# Allegro board HY_TPL5010_V10.brd
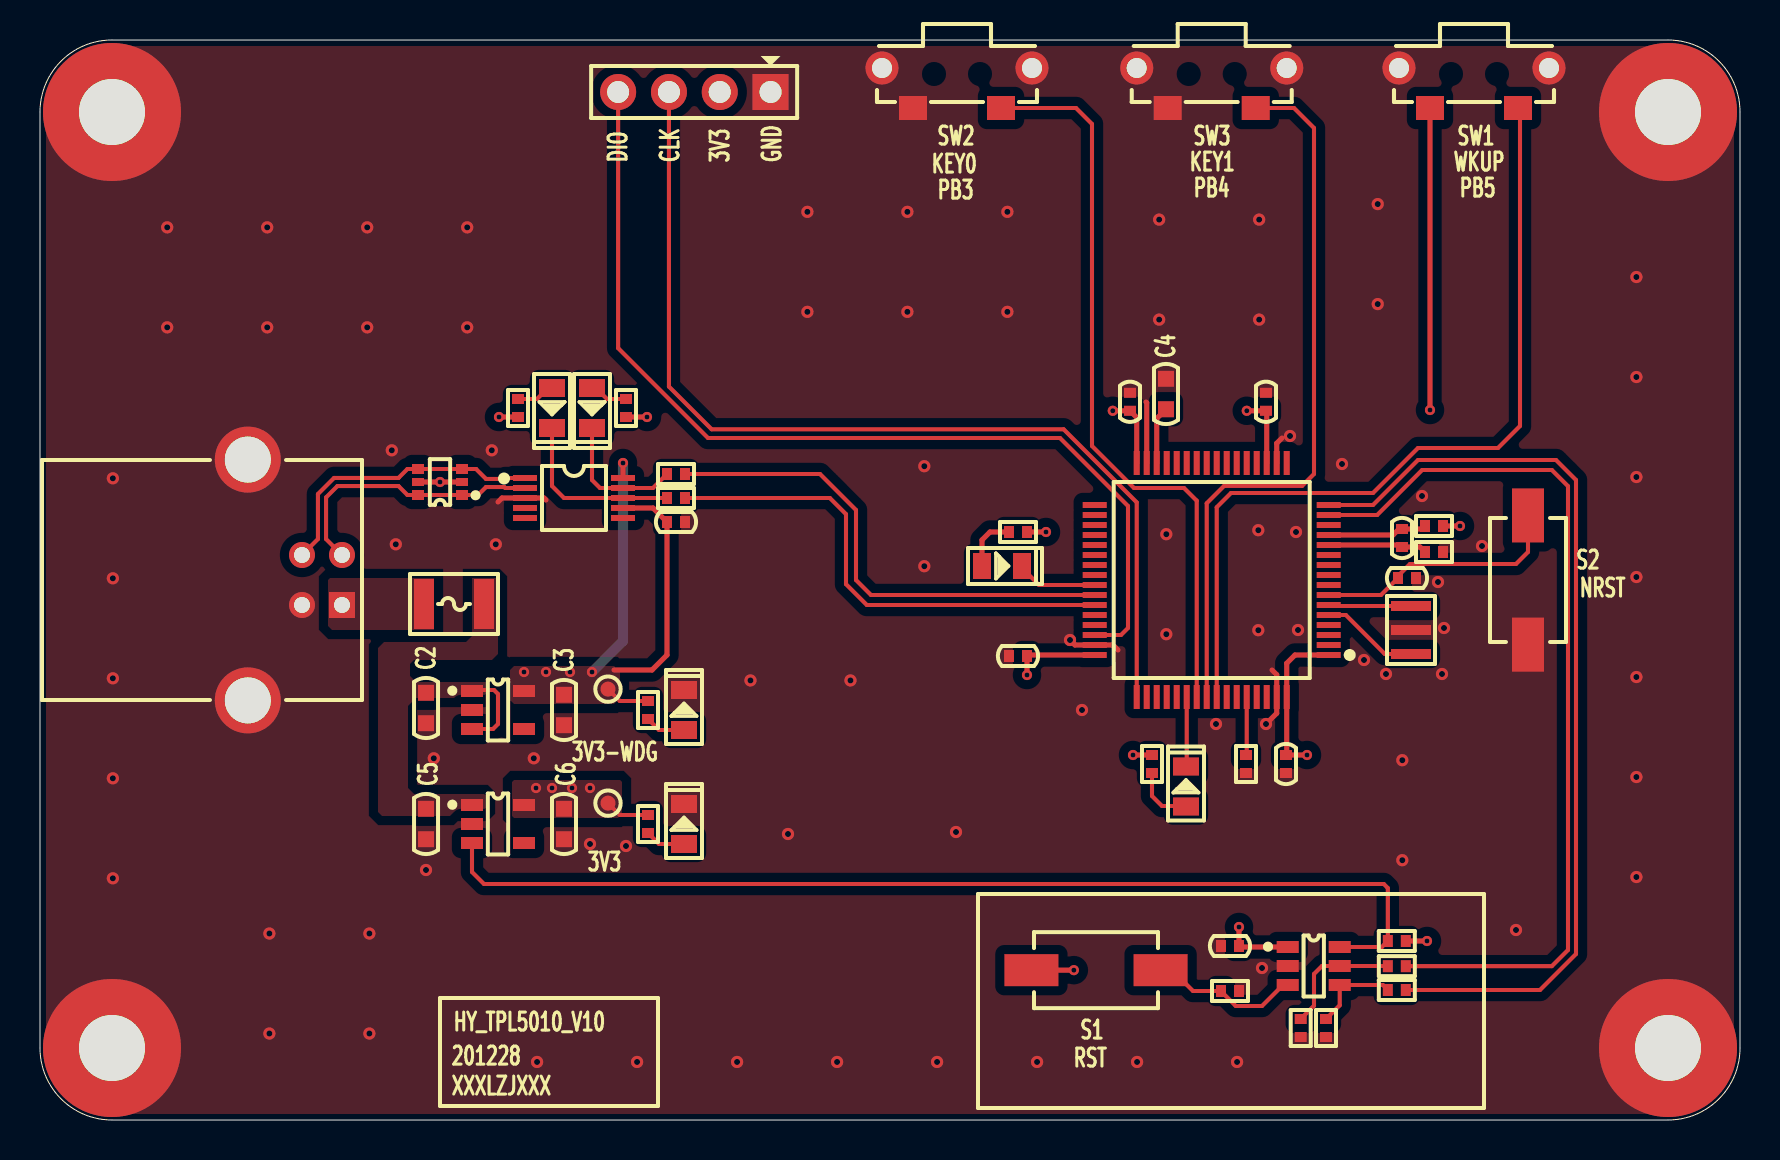
[diagram p0: board, top side]
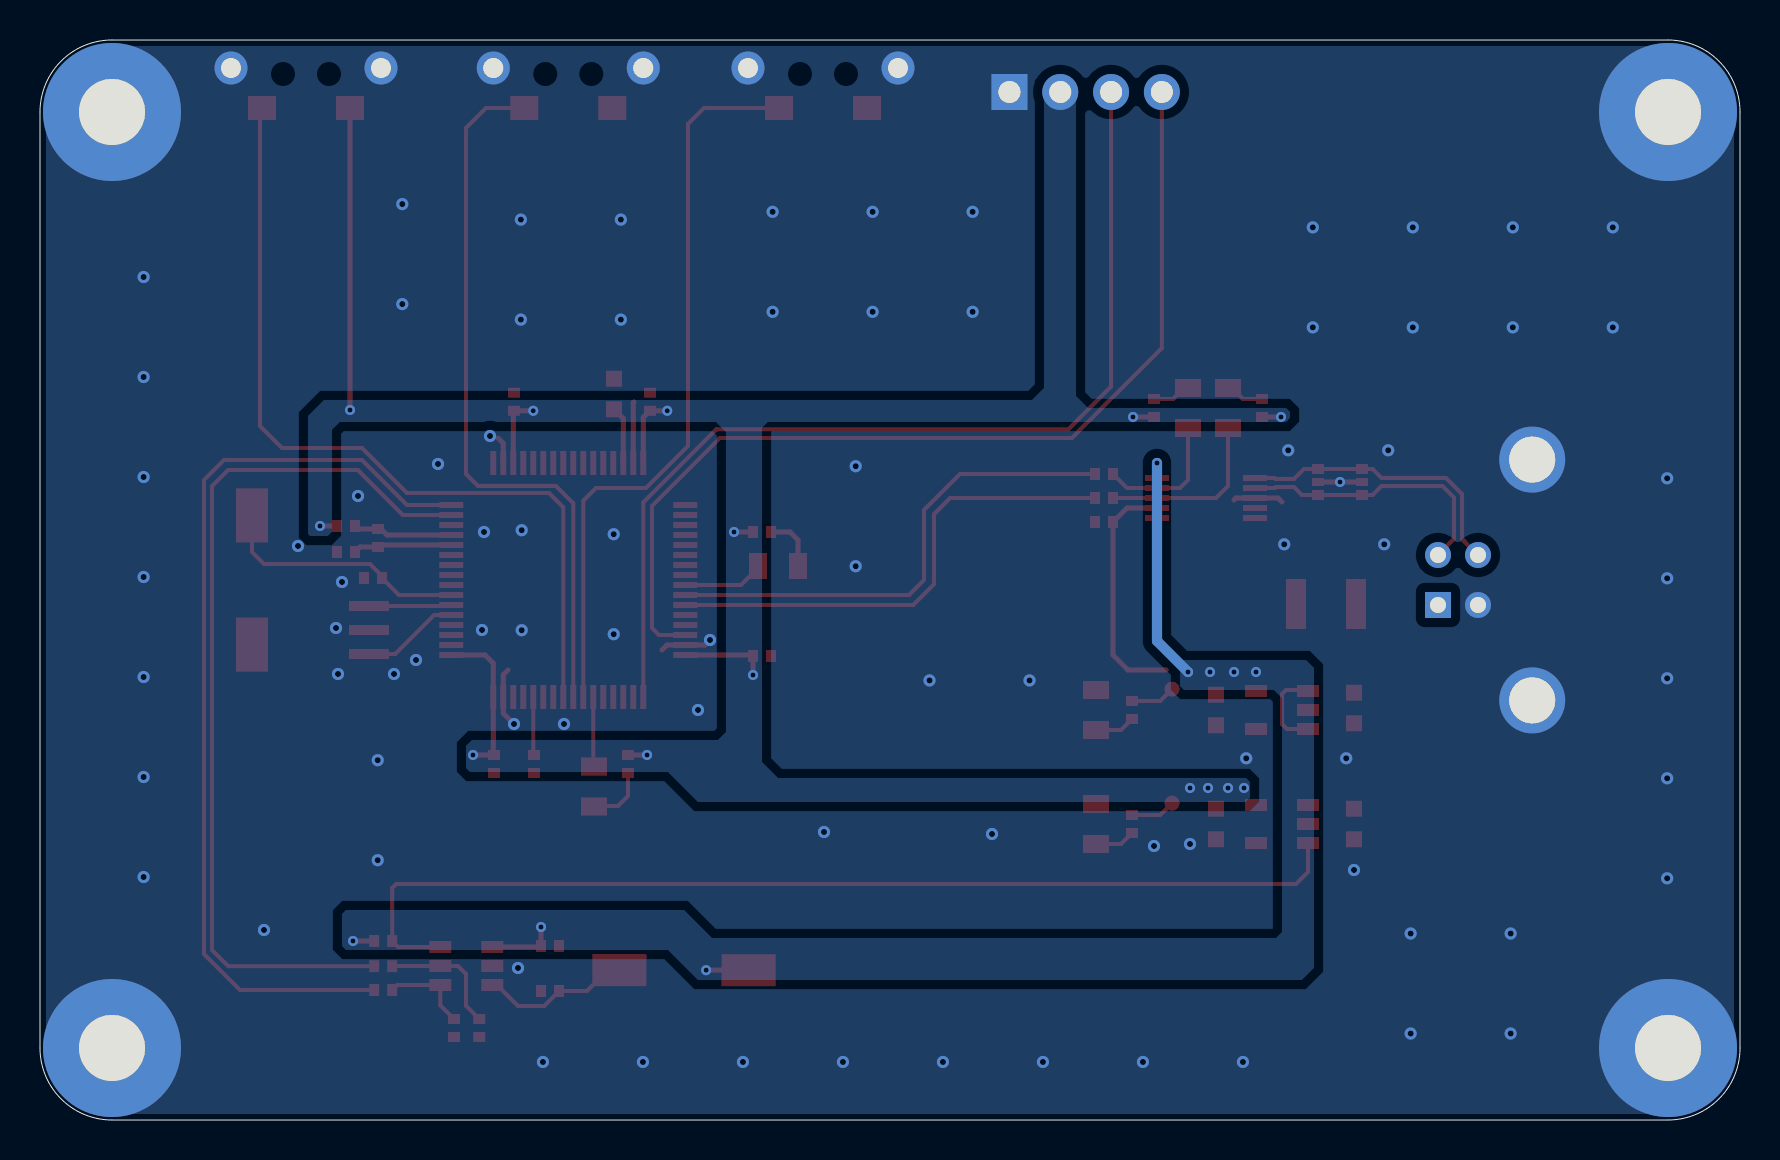
[diagram p1: board, bottom side, seen from below]

Outline 85 x 54 mm; copper layers: TOP, BOTTOM. Coordinates in mm from the lower left corner of the outline.
Outline path: 0,50.4 arc(1.05,52.95) 3.6,54 81.4,54 arc(83.95,52.95) 85,50.4 85,3.6 arc(83.95,1.05) 81.4,0 3.6,0 arc(1.05,1.05) 0,3.6 0,50.4

## Design rules (mm)
constraint set DEFAULT: min track width 0.203, pair gap 0.203
net group USB_D: nets USB_DM USB_DP

## Placement (name value [footprint] x y rotation side)
C1  100nF_50V  [C0402]  31.8 29.9 180 top
C2  10uF_10V  [C0603]  19.3 20.6 270 top
C3  10uF_10V  [C0603]  26.2 20.5 270 top
C4  10uF_10V  [C0603]  56.3 36.3 90 top
C5  10uF_10V  [C0603]  19.3 14.8 270 top
C6  10uF_10V  [C0603]  26.2 14.8 270 top
C7  100nF_50V  [C0402]  54.5 35.91 270 top
C8  100nF_50V  [C0402]  61.3 35.91 270 top
C9  100nF_50V  [C0402]  48.9 23.2 0 top
C10  100nF_50V  [C0402]  62.3 17.8 90 top
C11  100nF_50V  [C0402]  59.5 8.7 180 top
C12  100nF_50V  [C0402]  68.1 29.1 90 top
C13  100nF_50V  [C0402]  68.35 27.1 0 top
D1  RED_0805  [LED0805]  25.6 35.6 270 top
D2  RED_0805  [LED0805]  27.6 35.6 270 top
D3  RED_0805  [LED0805]  32.2 20.5 90 top
D4  RED_0805  [LED0805]  32.2 14.8 90 top
D5  RED_0805  [LED0805]  48.1 27.7 0 top
D6  RED_0805  [LED0805]  57.3 16.67 90 top
F1  SMD1210-200  [FUSE1210]  20.7 25.8 0 top
J1  -  [CN1X4-2P54-Z]  36.53 51.4 180 top
MH1  Hold/NI  [HOLD6R90X3R40]  3.6 3.6 0 top
MH2  Hold/NI  [HOLD6R90X3R40]  81.4 3.6 0 top
MH3  Hold/NI  [HOLD6R90X3R40]  81.4 50.4 0 top
MH4  Hold/NI  [HOLD6R90X3R40]  3.6 50.4 0 top
NOREF  -  []  0 0 90 top
NOREF#2  -  []  0 0 0 top
NOREF#3  -  []  3.6 3.6 90 top
NOREF#4  -  []  3.6 3.6 0 top
R1  4.7K  [R0402]  23.9 35.6 90 top
R2  4.7K  [R0402]  29.3 35.6 90 top
R3  1K  [R0402]  31.8 32.3 0 top
R4  1K  [R0402]  31.8 31.1 0 top
R5  4.7K  [R0402]  30.4 20.5 270 top
R6  4.7K  [R0402]  30.4 14.8 270 top
R7  0R  [R0402]  69.7 29.7 0 top
R8  100K  [R0402]  67.84 8.95 180 top
R9  1K  [R0402]  67.84 7.69 0 top
R10  0R  [R0402]  69.7 28.4 0 top
R11  100K  [R0402]  63.04 4.6 270 top
R12  100K  [R0402]  64.3 4.6 270 top
R13  22K  [R0402]  59.5 6.45 0 top
R14  1K  [R0402]  67.84 6.5 0 top
R15  10K  [R0402]  48.9 29.4 180 top
R16  10K  [R0402]  60.3 17.8 270 top
R17  10K  [R0402]  55.6 17.8 270 top
S1  3*6*2.5  [KEY-2P-SMD-6R2X3R8X2R5]  52.8 7.49 0 top
S2  3*6*2.5  [KEY-2P-SMD-6R2X3R8X2R5]  74.4 27 90 top
SW1  -  [K2-1112SW-A4SW-04]  71.7 52.3 0 top
SW2  -  [K2-1112SW-A4SW-04]  45.85 52.3 0 top
SW3  -  [K2-1112SW-A4SW-04]  58.59 52.3 0 top
TP1  TestPoint/NI  [TP-0R75]  28.4 21.54 0 top
TP2  TestPoint/NI  [TP-0R75]  28.4 15.84 0 top
U1  CH340E  [MSOP10]  26.7 31.1 270 top
U2  STM32F410RBT6  [LQFP64-10X10X0R5]  58.59 27 90 top
U3  TPD4E1U06DCKR  [SOT363]  20 31.9 90 top
U4  SPX3819M5-L-3-3/TR  [SOT23-5]  22.9 20.5 270 top
U5  SPX3819M5-L-3-3/TR  [SOT23-5]  22.9 14.8 270 top
U6  TPL5010DDCR  [SOT23-6]  63.69 7.7 270 top
USB1  -  [USB-B]  15.1 27 180 top
X1  CSTCE8M00G15C99-R0  [X-3P-3R2X1R3-SMD]  68.55 24.5 90 top

## Library data of the parts
C1-C12 = CAP NP_2
C13 = CAP NP
D1-D4 = LED_1
D5 D6 = LED_4
F1 = FUSE
J1 = CONN RCPT 4
MH1-MH4 = Hold_1
R1-R17 = R_Generic
S1 S2 = SW PUSHBUTTON_0
SW1-SW3 = SWITCH-SPST-4P
TP1 TP2 = TestPoint
U1 = CH340E
U2 = STM32F410RBT6
U3 = TPD4E1U06DBVR
U4 U5 = SPX3819M5-L-1-2
U6 = TPL5010DDCR
USB1 = USB-B
X1 = XTAL_5032_0

## Footprints (pads in the part's own frame, mm; a bottom-side part is the same pattern mirrored in y, then rotated)
C0402
  rect 0.5x0.6 smd: 1(-0.45,0) 2(0.45,0)
C0603
  rect 0.8x0.8 smd: 1(-0.762,0) 2(0.762,0)
CN1X4-2P54-Z
  rect 1.8x1.8 hole 1.1: 1(0,0)
  round 1.8 hole 1.1: 2(2.54,0) 3(5.08,0) 4(7.62,0)
FUSE1210
  rect 1x2.5 smd: 1(-1.5,0) 2(1.5,0)
HOLD6R90X3R40
  round 6.9 hole 3.3: 1(0,0)
K2-1112SW-A4SW-04
  round 1.65 hole 1: 1(-3.75,0.3) 4(3.75,0.3)
  rect 1.4x1.2 smd: 2(-2.2,-1.7) 3(2.2,-1.7)
KEY-2P-SMD-6R2X3R8X2R5
  rect 2.7x1.6 smd: 1(-3.23,0) 2(3.23,0)
LED0805
  rect 0.9x1.3 smd: 1(-1,0) 2(1,0)
LQFP64-10X10X0R5
  rect 0.3x1.2 smd: 1(-3.75,-5.85) 2(-3.25,-5.85) 3(-2.75,-5.85) 4(-2.25,-5.85) 5(-1.75,-5.85) 6(-1.25,-5.85) 7(-0.75,-5.85) 8(-0.25,-5.85) 9(0.25,-5.85) 10(0.75,-5.85) 11(1.25,-5.85) 12(1.75,-5.85) 13(2.25,-5.85) 14(2.75,-5.85) 15(3.25,-5.85) 16(3.75,-5.85) 33(3.75,5.85) 34(3.25,5.85) 35(2.75,5.85) 36(2.25,5.85) 37(1.75,5.85) 38(1.25,5.85) 39(0.75,5.85) 40(0.25,5.85) 41(-0.25,5.85) 42(-0.75,5.85) 43(-1.25,5.85) 44(-1.75,5.85) 45(-2.25,5.85) 46(-2.75,5.85) 47(-3.25,5.85) 48(-3.75,5.85)
  rect 1.2x0.3 smd: 17(5.85,-3.75) 18(5.85,-3.25) 19(5.85,-2.75) 20(5.85,-2.25) 21(5.85,-1.75) 22(5.85,-1.25) 23(5.85,-0.75) 24(5.85,-0.25) 25(5.85,0.25) 26(5.85,0.75) 27(5.85,1.25) 28(5.85,1.75) 29(5.85,2.25) 30(5.85,2.75) 31(5.85,3.25) 32(5.85,3.75) 49(-5.85,3.75) 50(-5.85,3.25) 51(-5.85,2.75) 52(-5.85,2.25) 53(-5.85,1.75) 54(-5.85,1.25) 55(-5.85,0.75) 56(-5.85,0.25) 57(-5.85,-0.25) 58(-5.85,-0.75) 59(-5.85,-1.25) 60(-5.85,-1.75) 61(-5.85,-2.25) 62(-5.85,-2.75) 63(-5.85,-3.25) 64(-5.85,-3.75)
MSOP10
  rect 0.3x1.2 smd: 1(-1,-2.45) 2(-0.5,-2.45) 3(0,-2.45) 4(0.5,-2.45) 5(1,-2.45) 6(1,2.45) 7(0.5,2.45) 8(0,2.45) 9(-0.5,2.45) 10(-1,2.45)
R0402
  rect 0.5x0.6 smd: 1(-0.45,0) 2(0.45,0)
SOT23-5
  rect 0.6x1.1 smd: 1(-0.95,-1.3) 2(0,-1.3) 3(0.95,-1.3) 4(0.95,1.3) 5(-0.95,1.3)
SOT23-6
  rect 0.6x1.1 smd: 1(-0.95,-1.3) 2(0,-1.3) 3(0.95,-1.3) 4(0.95,1.3) 5(0,1.3) 6(-0.95,1.3)
SOT363
  rect 0.5x0.6 smd: 1(-0.65,-1.1) 3(0.65,-1.1) 4(0.65,1.1) 6(-0.65,1.1)
  rect 0.4x0.6 smd: 2(0,-1.1) 5(0,1.1)
TP-0R75
  round 0.75 smd: 1(0,0)
USB-B
  rect 1.3x1.3 hole 0.8: 1(0,1.25)
  round 1.3 hole 0.8: 2(0,-1.25) 3(2,-1.25) 4(2,1.25)
  round 3.3 hole 2.3: 5(4.71,6.02) 6(4.71,-6.02)
X-3P-3R2X1R3-SMD
  rect 0.5x2 smd: 1(-1.2,0) 2(0,0) 3(1.2,0)

## Nets
GND: C1.1 C2.2 C3.2 C4.2 C5.2 C6.2 C7.1 C8.1 C9.1 C10.1 C11.2 C13.2 D3.2(CATHODE) D4.2(CATHODE) J1.1 MH1.1 MH2.1 MH3.1 MH4.1 R10.2 R11.2 R12.2 R13.2 R16.2 S2.1 SW1.1 SW1.4 SW2.1 SW2.2 SW2.4 SW3.1 SW3.2 SW3.4 U1.3 U2.18 U2.31 U2.47 U2.63(VSS_4) U3.2 U3.5(NC) U4.2 U5.2 U6.2 USB1.4 USB1.5 USB1.6 X1.2
VCC_3.3V: C6.1 C7.2 C8.2 C9.2 C10.2 J1.2 R1.1 R2.1 R6.1 R7.2 R15.1 R17.1 SW1.2 TP2.1 U2.1 U2.19 U2.32 U2.48 U2.64 U5.5(VOUT)
VCC_3.3V_WDG: C1.2 C3.1 C11.1 R5.1 R8.1 S1.1 TP1.1 U1.7(VCC) U1.10 U4.5(VOUT) U6.1
VCC_USB: F1.1 USB1.1(VBUS)
VCC_USB_5V: C2.1 C5.1 F1.2 U4.1 U4.3 U5.1
VDDA: C12.2 R7.1 U2.13
VSSA: C12.1 R10.1 U2.12
BOOT0: R16.1 U2.60
CH340E_RXD: D2.2(CATHODE) R3.1 U1.9
CH340E_TXD: D1.2(CATHODE) R4.1 U1.8
CTL_PWR: R8.2 U5.3 U6.6
DONE: R12.1 R14.1 U6.4
KEY0: SW2.3 U2.55
KEY1: SW3.3 U2.56
LED0: D5.2(CATHODE) U2.41
LED1: D6.2(CATHODE) U2.54
NRST: C13.1 S2.2 U2.7
OSC_IN: U2.5 X1.1
OSC_OUT: U2.6 X1.3
PA1: R9.2 U2.15
PA2: R14.2 U2.16
SWCLK: J1.3 U2.49
SWDIO: J1.4 U2.46
USART1_RX: R4.2 U2.43
USART1_TX: R3.2 U2.42
USB_DM: U1.2 U3.1 U3.6 USB1.2
USB_DP: U1.1 U3.3 U3.4 USB1.3
WAKE: R9.1 R11.1 U6.5(WAKE)
WK_UP: SW1.3 U2.57
N17433737: R13.1 S1.2 U6.3
N17438101: D5.1 R15.2
N17438131: D6.1 R17.2
N17440274: C4.1 U2.30
N174292921: D3.1 R5.2
N174302151: D4.1 R6.2
N174362731: D1.1 R1.2
N174362811: D2.1 R2.2

Pads without a net: U1 4 5 6; U2 2 3 4 8 9 10 11 14 17 20 21 22 23 24 25 26 27 28 29 33 34 35 36 37 38 39 40 44 45 50 51 52 53 58 59 61 62; U4 4; U5 4

## Via types
v1: diameter 0.508, hole 0.254, TOP to BOTTOM, 23 vias
v2: diameter 0.61, hole 0.305, TOP to BOTTOM, 82 vias

## Routing (per net, layer and track width the routed paths; a pad name or vN(x,y) marks a point on that pad's centre or on a via; arc(x,y) is an arc through that point)
GND: length 14.5
  TOP w0.254: 55.3,35.9 55.34,35.86 U2.31 ; 25.3,31 25.2,31.1 U1.3 23.1,31.1 22.9,30.9 ; 61.6,22.5 61.84,22.26 U2.63 61.84,20.34 61.5,20 ; U3.5 v1(20,31.9) U3.2 ; 53.9,23.5 53.65,23.75 U2.47 51.75,23.75 v2(51.5,24) ; U2.18 61.84,33.84 62.1,34.1
  vias: v2(3.64,32.08) v2(3.64,27.08) v2(3.64,22.08) v2(3.64,17.08) v2(3.64,12.08) v2(6.36,44.63) v2(6.36,39.63) v2(11.36,44.63) v2(11.36,39.63) v2(11.47,9.32) v2(11.47,4.32) v2(16.36,44.63) v2(16.36,39.63) v2(16.47,9.32) v2(16.47,4.32) v2(17.59,33.48) v2(17.79,28.79) v2(19.3,12.5) v2(19.69,18.09) v2(21.36,44.63) v2(21.36,39.63) v2(22.59,33.48) v2(22.79,28.79) v2(24.69,18.09) v2(24.85,2.9) v2(27.5,13.8) v2(29.3,13.7) v2(29.85,2.9) v2(34.85,2.9) v2(35.52,21.98) v2(37.4,14.3) v2(38.37,45.41) v2(38.37,40.41) v2(39.85,2.9) v2(40.52,21.98) v2(43.37,45.41) v2(43.37,40.41) v2(44.22,32.69) v2(44.22,27.69) v2(44.85,2.9) v2(45.8,14.4) v2(48.37,45.41) v2(48.37,40.41) v2(49.85,2.9) v2(52.1,20.5) v2(54.85,2.9) v2(55.96,45.02) v2(55.96,40.02) v2(56.31,29.29) v2(56.31,24.29) v2(58.8,19.8) v2(59.85,2.9) v2(60.91,29.49) v2(60.91,24.49) v2(60.96,45.02) v2(60.96,40.02) v2(61.1,7.6) v2(61.3,19.8) v2(62.5,34.2) v2(62.8,29.4) v2(62.9,24.5) v2(65.1,32.8) v2(66.2,23) v2(66.89,45.8) v2(66.89,40.8) v2(67.3,22.3) v2(68.11,17.99) v2(68.11,12.99) v2(69.1,31.2) v2(69.9,26.9) v2(70.1,22.3) v2(70.2,24.6) v2(72.1,28.7) v2(73.8,9.5) v2(79.82,42.15) v2(79.82,37.15) v2(79.82,32.15) v2(79.82,27.15) v2(79.82,22.15) v2(79.82,17.15) v2(79.82,12.15)
VCC_3.3V: length 41.6
  TOP w0.203: R6.1 28.99,15.25 TP2.1
  TOP w0.254: R7.2 v1(71,29.7) ; v1(60.34,35.46) C8.2 61.34,35.42 U2.19 ; R1.1 v1(22.95,35.15) ; U2.48 49.4,23.25 C9.2 v1(49.35,22.25) ; R17.1 v1(54.65,18.25) ; R15.1 v1(50.3,29.4) ; v1(53.64,35.46) C7.2 54.84,35.12 U2.32 ; SW1.2 v1(69.5,35.5) ; U2.1 62.75,23.25 62.34,22.84 U2.64 62.34,18.29 C10.2 v1(63.35,18.25) ; R2.1 v1(30.35,35.15)
  vias: v1(24.8,16.6) v1(25.6,16.6) v1(26.6,16.6) v1(27.5,16.6)
VCC_3.3V_WDG: length 32.8
  TOP w0.203: TP1.1 28.99,20.95 R5.1
  TOP w0.254: U1.10 v1(29.15,32.85) ; 28.7,22.5 30.6,22.5 31.35,23.25 C1.2 30.65,30.6 U1.7 ; S1.1 v1(51.69,7.49) ; U6.1 60,8.65 C11.1 v1(59.95,9.65) ; R8.1 v1(69.35,8.95)
  BOTTOM w0.508: v1(29.15,32.85) 29.15,23.95 v1(27.6,22.4)
  vias: v1(24.2,22.4) v1(25.3,22.4) v1(26.5,22.4)
VCC_USB_5V: length 4.3
  TOP w0.203: U4.1 21.65,21.5 22.7,21.5 22.9,21.3 22.9,19.8 22.65,19.55 U4.3
VDDA: length 5
  TOP w0.254: U2.13 67.65,29.25 67.95,29.55 C12.2 69.1,29.55 R7.1
VSSA: length 5
  TOP w0.254: R10.1 69,28.65 C12.1 68,28.75 U2.12
BOOT0: length 2.9
  TOP w0.203: R16.1 60.34,18.29 U2.60
CH340E_RXD: length 6.8
  TOP w0.203: R3.1 30.65,31.6 U1.9 28,31.6 27.6,32 D2.2
CH340E_TXD: length 8.9
  TOP w0.203: D1.2 25.6,31.7 26.2,31.1 U1.8 R4.1
CTL_PWR: length 52.8
  TOP w0.203: U5.3 21.6,12.4 22.2,11.8 67.19,11.8 67.39,11.6 R8.2 67.09,8.65 U6.6
DONE: length 4.5
  TOP w0.203: R14.1 67.14,6.75 U6.4 64.99,5.74 R12.1
KEY0: length 37.2
  TOP w0.203: U2.55 57.84,30.96 57.2,31.6 54.7,31.6 52.6,33.7 52.6,49.8 51.8,50.6 SW2.3
KEY1: length 36.3
  TOP w0.203: SW3.3 62.7,50.6 63.7,49.6 63.7,32.3 63.11,31.71 59.21,31.71 58.34,30.84 U2.56
LED0: length 4.1
  TOP w0.203: D5.2 49.1,27.6 49.95,26.75 U2.41
LED1: length 3.5
  TOP w0.203: D6.2 57.34,17.71 U2.54
NRST: length 12.7
  TOP w0.203: S2.2 74.4,28.4 73.8,27.8 68.5,27.8 67.9,27.2 C13.1 67.05,26.25 U2.7
OSC_IN: length 4.9
  TOP w0.203: X1.1 67.24,23.3 65.29,25.25 U2.5
OSC_OUT: length 4.1
  TOP w0.203: U2.6 64.49,25.7 X1.3
PA1: length 44.9
  TOP w0.203: U2.15 66.86,30.25 69.11,32.5 75.59,32.5 76.4,31.69 76.4,8.5 75.59,7.69 R9.2
PA2: length 46.7
  TOP w0.203: R14.2 75,6.5 76.8,8.3 76.8,32 75.8,33 68.9,33 66.65,30.75 U2.16
SWCLK: length 50.2
  TOP w0.203: U2.49 54.84,30.88 51.18,34.54 33.58,34.54 31.45,36.67 J1.3
SWDIO: length 49.5
  TOP w0.203: U2.46 54.05,24.25 54.4,24.6 54.4,30.7 51,34.1 33.4,34.1 28.91,38.59 J1.4
USART1_RX: length 24.8
  TOP w0.203: R4.2 39.49,31.1 40.3,30.29 40.3,26.79 41.34,25.75 U2.43
USART1_TX: length 25
  TOP w0.203: R3.2 39,32.3 40.8,30.5 40.8,27 41.55,26.25 U2.42
USB_DM: length 13.8
  TOP w0.203: USB1.2 14.3,29.05 14.3,31.13 14.87,31.7 17.92,31.7 18.37,31.25 U3.6 U3.1 21.9,31.25 22.3,31.65 23.22,31.65 23.27,31.6 U1.2
USB_DP: length 14.5
  TOP w0.203: U1.1 23.27,32.1 23.22,32.05 22.3,32.05 21.8,32.55 U3.3 U3.4 18.37,32.55 17.92,32.1 14.7,32.1 13.9,31.3 13.9,29.05 USB1.3
WAKE: length 6.4
  TOP w0.203: R9.1 67.38,7.7 U6.5 64.1,7.7 63.7,7.3 63.7,5.71 R11.1
WK_UP: length 42.3
  TOP w0.203: U2.57 58.84,30.64 59.55,31.35 66.65,31.35 68.9,33.6 72.9,33.6 74,34.7 74,50.5 SW1.3
N17433737: length 7.5
  TOP w0.203: U6.3 62.15,6.75 61.1,5.7 59.79,5.7 59.05,6.44 R13.1 57.65,6.45 56.61,7.49 S1.2
N17438101: length 2.8
  TOP w0.254: R15.2 47.5,29.4 47.1,29 D5.1
N17438131: length 3.1
  TOP w0.203: D6.1 57.27,15.7 56.1,15.7 55.6,16.2 R17.2
N17440274: length 2.9
  TOP w0.254: U2.30 55.84,35.07 C4.1
N174292921: length 2
  TOP w0.203: D3.1 30.95,19.5 R5.2
N174302151: length 2
  TOP w0.203: R6.2 30.95,13.8 D4.1
N174362731: length 1.9
  TOP w0.203: R1.2 24.85,36.05 25.4,36.6 D1.1
N174362811: length 1.9
  TOP w0.203: D2.1 27.8,36.6 28.35,36.05 R2.2

## Copper pours and planes (outline as drawn; the poured copper is in the pictures)
GND on TOP: 84.7,3.6 83.73,1.27 81.4,0.3 3.6,0.3 1.27,1.27 0.3,3.6 0.3,50.4 1.27,52.73 3.6,53.7 81.4,53.7 83.73,52.73 84.7,50.4 ; 4 cut-outs
GND on BOTTOM: 84.7,3.6 83.73,1.27 81.4,0.3 3.6,0.3 1.27,1.27 0.3,3.6 0.3,50.4 1.27,52.73 3.6,53.7 81.4,53.7 83.73,52.73 84.7,50.4
VCC_3.3V on TOP: 23.7,15.1 28.9,15.1 29.1,15.3 29.1,16.9 29,17 23.7,17 23.6,16.9 23.6,15.2
VCC_3.3V on BOTTOM: 34.8,51.8 34.8,36.6 35.4,36 70.8,36 71.6,35.2 71.6,29.3 71.5,29.2 70.6,29.2 70.4,29.4 70.4,34.5 70,34.9 51.2,34.9 50.7,34.4 50.7,19.4 51.1,19 63.4,19 63.7,18.7 63.7,17.6 63.5,17.4 53.6,17.4 52.1,15.9 24.7,15.9 24.5,16.1 24.5,16.9 24.7,17.1 48.1,17.1 48.9,17.9 48.9,34.6 48.6,34.9 22.7,34.9 22.5,35.1 22.5,35.4 22.7,35.6 32.6,35.6 33.2,36.2 33.2,51.8 33.4,52 34.6,52
VCC_3.3V_WDG on TOP: 23.7,20.8 28.7,20.8 29,21.1 29,22.4 28.7,22.7 23.7,22.7 23.5,22.5 23.5,21
VCC_3.3V_WDG on BOTTOM: 27.9,23 21.7,23 21.3,22.6 21.3,7.6 21.9,7 52.1,7 53.6,8.5 69.7,8.5 69.9,8.7 69.9,10.3 69.7,10.5 52.8,10.5 51.4,9.1 23.2,9.1 22.9,9.4 22.9,21.1 23.3,21.5 27.8,21.5 28,21.7 28,22.9
VCC_USB on TOP: 14.4,24.7 14.4,27 14.5,27.1 19.7,27.1 19.7,24.5 14.6,24.5
VCC_USB_5V on TOP: 21.6,27.1 21.6,24.2 21.3,23.9 17.2,23.9 16.9,23.6 16.9,15.4 17.1,15.2 20.5,15.2 20.7,15.4 22.2,15.4 22.3,15.5 22.3,16.2 22.2,16.3 18.7,16.3 18.4,16.6 18.4,20.7 18.8,21.1 22.3,21.1 22.3,21.9 18.8,21.9 18.5,22.2 18.5,22.8 18.7,23 22.6,23 22.9,23.3 22.9,27 22.8,27.1

## Text on the board
Ref Des/Silkscreen Top: 201228 | XXXLZJXXX | HY_TPL5010_V10 | 3V3-WDG | 3V3 | KEY0 | PB3 | RST | KEY1 | PB4 | WKUP | PB5 | NRST | DIO | CLK | GND
BODY_CENTER: FIGURE | FINISHED_SIZE | 0.254 | 0.3048 | 0.8 | 1.0 | 1.1 | 2.3 | 3.3 | DRILL CHART: TOP to BOTTOM | ALL UNITS ARE IN MILLIMETERS | PLATED | QTY | 23 | 82 | 4 | 6 | 2 | 125 | TOTAL HOLES:
